# Altium PCB cam_cross_link.PcbDoc (part 4 of 4)
Units mm, origin at the board's own origin, x right, y up, seen from the top; angles counter-clockwise.
Board outline 68.55 x 39.09 mm, 6 copper layers (Signal_T, GND_T, PWR, Signal_INT, GND_B, Signal_B), stack 0.816 mm thick; 186 components, 134 nets, 893 pads, 753 vias.
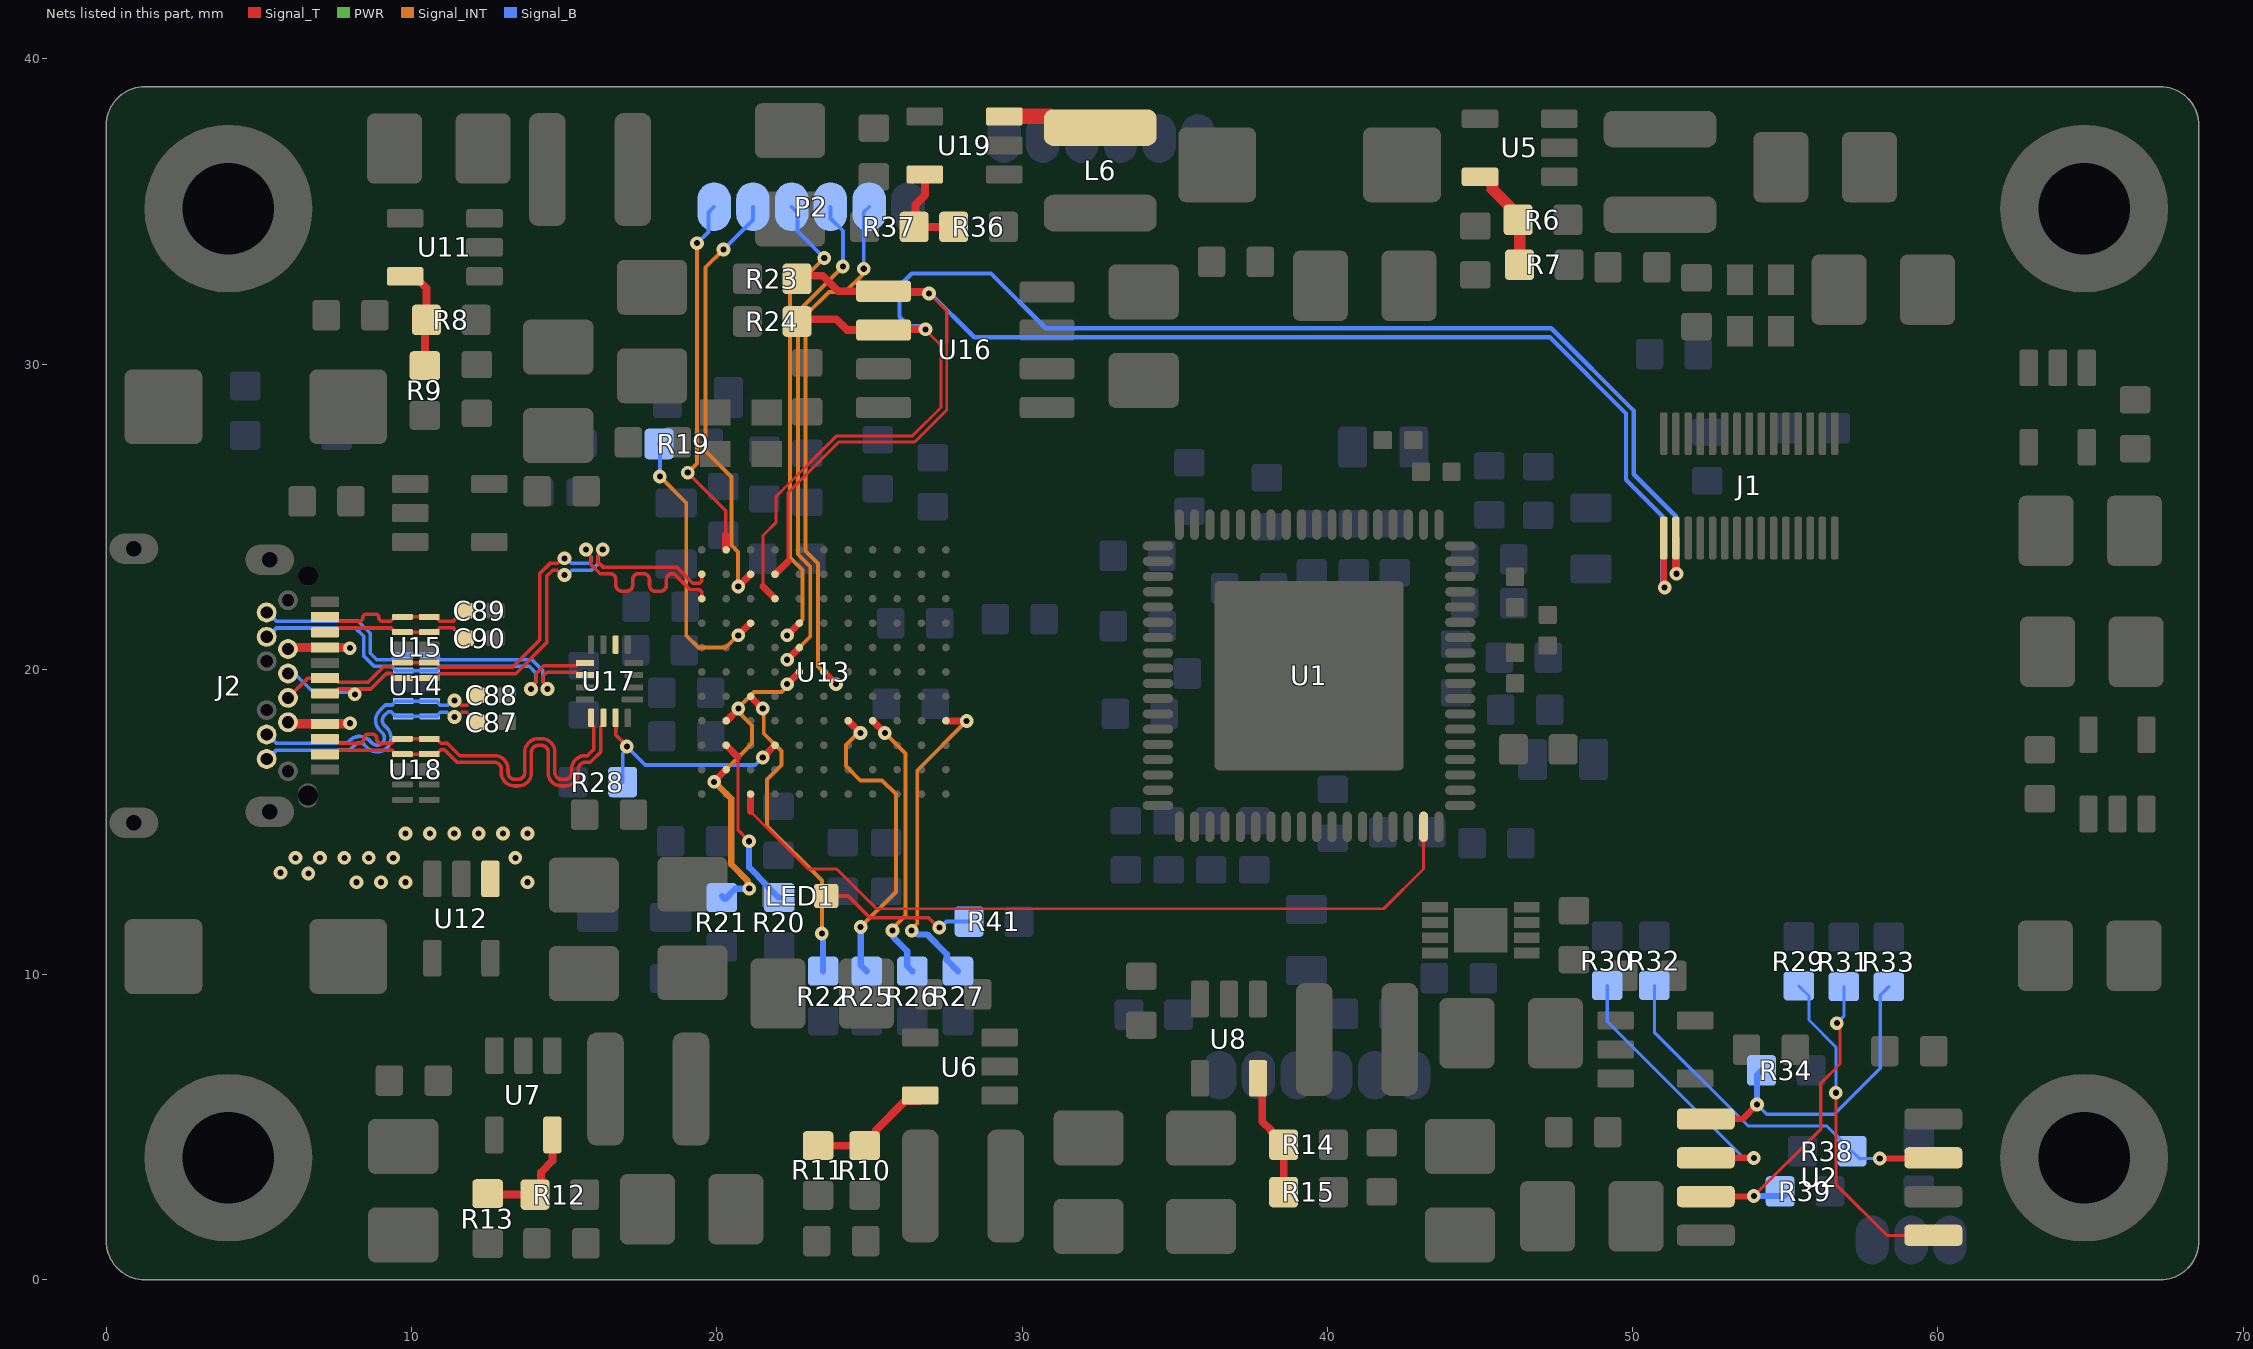
[diagram p8: the nets of this part, all layers, seen from the top]

## Via types
v1: diameter 0.45, hole 0.2, Signal_T to Signal_B, tented both sides, 740 vias
v2: diameter 0.5, hole 0.3, Signal_T to Signal_B, 9 vias
v3: diameter 0.45/0.45/0.45/0.45/0.45/0.45 (per signal layer), hole 0.2, Signal_T to Signal_B, tented both sides, 2 vias
v4: diameter 0.7, hole 0.3, Signal_T to Signal_B, 2 vias

## Nets (pads, with @x,y where several pads share a name; then routed paths per layer and width w, separated by ;. In a path a pad name is that pad's centre, name@x,y a point inside that pad or via, vN(x,y) a via of type N, cw(c..) or ccw(c..) an arc to the next point about the centre after c; other vN are vias at no path point) (continued)
NetL6_1: L6.1 U19.3 | length 3.3
  Signal_T w0.508: U19.3@29.418,38.11 30.925,38.11 31.288,37.747 L6.1@32.563,37.747
NetLED1_K: LED1.K R41.1 | length 5.2
  Signal_T w0.127: LED1.K@23.583,12.573 24.308,12.573 25.018,11.863 26.937,11.863 27.259,11.541 v1(27.292,11.541)
  Signal_B w0.127: v1(27.292,11.541) 27.334,11.541 27.528,11.735 R41.1@28.27,11.735
NetR6_2: R6.2 R7.1 U5.5 | length 3.6
  Signal_T w0.381: U5.5@45.004,36.134 45.304,36.134 45.414,36.024 45.414,35.724 45.968,35.17 45.968,35.008 R6.2@46.252,34.723 46.3,34.723 R7.1@46.3,33.25
NetR8_2: R8.2 R9.1 U11.5 | length 3.1
  Signal_T w0.254: U11.5@10.099,32.878 10.49,32.487 R8.2@10.49,31.445 10.439,31.395 R9.1@10.439,29.947
NetR10_2: R10.2 R11.1 U6.5 | length 4
  Signal_T w0.254: R11.1@23.317,4.394 24.866,4.394 25.214,4.742 25.214,4.903 26.168,5.857 U6.5@26.665,5.857
NetR12_2: R12.2 R13.1 U7.5 | length 3.7
  Signal_T w0.254: R13.1@12.497,2.82 12.523,2.794 R12.2@14.046,2.794 14.244,2.992 14.244,3.526 14.615,3.898 U7.5@14.615,4.745
NetR14_2: R14.2 R15.1 U8.5 | length 4
  Signal_T w0.254: U8.5@37.729,6.599 37.871,6.457 37.871,5.182 38.159,4.894 38.159,4.869 38.507,4.521 R14.2@38.532,4.521 ; R15.1@38.573,2.871 R14.2@38.573,4.42
NetR19_1: R19.1 U13.C8 | length 9.3
  Signal_T w0.229: v1@20.705,21.107 20.705,21.117 21.09,21.503 21.102,21.513 U13.C8@21.107,21.513
  Signal_INT w0.127: v1(18.136,26.314) 18.999,25.451 18.999,21.107 19.395,20.711 20.293,20.711 20.689,21.107 v1@20.705,21.107
  Signal_B w0.127: R19.1@18.11,27.381 18.136,27.356 v1(18.136,26.314)
  other v1: 20.705,21.113
NetR20_1: R20.1 U13.B3 | length 5.7
  Signal_T w0.102: 20.701,17.12 20.701,14.724 v1(21.057,14.368)
  Signal_T w0.229: U13.B3@20.307,17.513 20.701,17.12
  Signal_B w0.203: v1(21.057,14.368) 21.057,13.512 21.659,12.91 21.659,12.894 22.031,12.522 R20.1@22.047,12.522
NetR21_1: R21.1 U13.B2 U13.B4 U13.E6 | length 11.9
  Signal_T w0.229: v1@19.914,16.32 U13.B2@20.307,16.713 ; U13.B4@20.307,18.313 20.327,18.313 20.701,18.688 v1@20.701,18.732 ; v1@22.327,19.533 U13.E6@22.707,19.913
  Signal_INT w0.127: v1@19.914,16.32 21.158,17.564 21.158,18.161 20.811,18.508 20.811,18.534 20.701,18.644 20.701,18.732 21.223,19.253 22.124,19.253 22.327,19.456 v1@22.327,19.533
  Signal_INT w0.203: v1@19.914,16.32 20.472,15.761 20.472,13.61 21.017,13.065 21.017,12.861 v1(21.064,12.814)
  Signal_B w0.203: R21.1@20.168,12.573 20.27,12.471 20.612,12.814 v1(21.064,12.814)
  other v1: 19.914,16.313 20.707,18.713 22.307,19.513
NetR22_1: R22.1 U13.C5 | length 10.2
  Signal_T w0.229: U13.C5@21.107,19.113 21.519,18.702 v1@21.539,18.702
  Signal_INT w0.127: v1@21.539,18.702 21.539,17.897 22.118,17.318 22.118,16.86 21.651,16.394 21.651,14.874 23.443,13.082 v1@23.443,11.524
  Signal_B w0.203: v1(23.443,11.347) 23.485,11.305 R22.1@23.485,10.109
  other v1: 21.507,18.713
NetR29_1: R29.1 U2.5 | length 10.9
  Signal_T w0.102: v1(56.662,6.128) 56.662,3.13 58.335,1.456 U2.5@59.855,1.456
  Signal_B w0.102: R29.1@55.448,9.626 55.779,9.296 55.779,8.509 56.662,7.626 v1(56.662,6.128)
NetR30_1: R30.1 U2.2 | length 9.4
  Signal_T w0.203: U2.2@52.4,3.996 53.967,3.996 v1(53.975,3.988)
  Signal_B w0.102: R30.1@49.171,9.638 49.171,8.462 53.645,3.988 v1(53.975,3.988)
NetR31_1: R31.1 R39.2 U2.3 | length 10.8
  Signal_T w0.102: v1(53.975,2.743) 56.166,4.934 56.166,6.441 56.794,7.07 v1@56.794,8.484
  Signal_T w0.203: U2.3@52.4,2.726 53.958,2.726 v1(53.975,2.743)
  Signal_B w0.102: v1(56.693,8.407) 56.921,8.636 R31.1@56.921,9.601
  Signal_B w0.203: v1(53.975,2.743) 54.965,2.743 R39.2@55.016,2.794
NetR32_1: R32.1 R38.2 U2.7 | length 12.3
  Signal_T w0.203: v1(58.101,3.977) 59.807,3.977 59.821,3.962 U2.7@59.855,3.996
  Signal_B w0.102: R32.1@50.715,9.638 50.715,8.111 53.785,5.042 53.798,5.042 53.799,5.041 56.366,5.041 56.985,4.422 R38.2@56.985,4.215 ; R38.2@57.192,4.215 57.445,3.962 57.459,3.977 v1(58.101,3.977)
NetR33_1: R33.1 R34.2 U2.1 | length 10.6
  Signal_T w0.203: U2.1@52.4,5.266 53.602,5.266 v1(54.077,5.74)
  Signal_B w0.102: v1(54.077,5.74) 54.393,5.424 56.608,5.424 58.115,6.931 58.115,8.738 58.115,9.322 R33.1@58.395,9.601
  Signal_B w0.203: v1(54.077,5.74) 54.077,6.706 R34.2@54.229,6.858
NetR36_2: R36.2 R37.1 U19.5 | length 3.2
  Signal_T w0.254: U19.5@26.818,36.21 26.822,36.206 26.822,35.535 26.513,35.225 26.513,34.539 R37.1@26.467,34.493 R36.2@27.762,34.493
PMOD0: R25.1 U13.G4 | length 10.3
  Signal_T w0.229: U13.G4@24.307,18.313 v1@24.702,17.919
  Signal_INT w0.127: v1@24.702,17.919 24.628,17.919 24.232,17.523 24.232,16.827 24.699,16.359 25.417,16.359 25.867,15.909 25.867,12.709 v1(24.714,11.557)
  Signal_B w0.203: v1(24.714,11.557) 24.714,10.308 R25.1@24.913,10.109
  other v1: 24.707,17.913
PMOD1: R26.1 U13.H4 | length 9.1
  Signal_T w0.229: U13.H4@25.107,18.313 v1@25.527,17.894
  Signal_INT w0.127: v1@25.527,17.894 26.182,17.238 26.182,11.935 25.757,11.51 v1(25.757,11.447)
  Signal_B w0.203: v1(25.757,11.447) 25.799,11.405 25.799,11.209 26.238,10.77 26.238,10.28 R26.1@26.408,10.109
  other v1: 25.507,17.913
PMOD2: R27.1 U13.L4 | length 10.3
  Signal_T w0.229: U13.L4@27.507,18.313 v1@28.026,18.313
  Signal_INT w0.127: v1(26.385,11.438) 26.385,11.49 26.568,11.674 26.568,16.687 v1(28.187,18.306)
  Signal_B w0.203: v1(26.385,11.438) 26.451,11.438 26.574,11.316 26.887,11.316 27.533,10.67 27.533,10.479 R27.1@27.903,10.109
SCL_1V8: J1.2 R24.2 U13.D9 U16.6 | length 53
  Signal_T w0.096: 22.135,25.855 23.917,27.637 ; 23.932,27.649 26.415,27.649 27.343,28.578 27.343,30.61 v1@26.838,31.115
  Signal_T w0.102: 21.514,22.708 21.514,24.384 21.946,24.816 21.946,25.663 22.135,25.852 22.135,25.855 ; 23.917,27.637 23.92,27.637 23.932,27.649
  Signal_T w0.152: v1@26.838,31.115 v1(26.838,31.137)
  Signal_T w0.229: 21.514,22.707 U13.D9@21.907,22.313
  Signal_T w0.254: R24.2@22.454,31.471 23.914,31.471 24.269,31.115 U16.6@25.463,31.115 25.485,31.137 v1(26.838,31.137) ; J1.2@51.423,24.3 51.423,23.249 51.541,23.131 v1(51.442,23.131)
  Signal_B w0.142: v1(26.838,31.137) 26.757,31.137 26.652,31.242 26.289,31.242 25.984,31.547 25.984,32.563 26.391,32.969 28.981,32.969 30.774,31.176 47.337,31.176 50.03,28.482 50.03,28.481 50.038,28.473 50.038,26.393 51.435,24.996 51.435,23.138 v1(51.442,23.131)
SDA_1V8: J1.1 R23.1 U13.D10 U16.5 | length 50.3
  Signal_T w0.096: 22.327,23.533 22.327,25.776 23.996,27.445 26.48,27.445 ; 26.494,27.458 27.535,28.498 27.535,30.689 ; v1@26.949,32.332 27.534,31.748
  Signal_T w0.102: 26.48,27.445 26.493,27.458 26.494,27.458 ; v1@26.949,32.332 v1@26.949,32.36 ; 27.534,31.748 27.534,30.69 27.535,30.689
  Signal_T w0.203: v1@51.023,22.728 J1.1@51.023,24.3
  Signal_T w0.229: U13.D10@21.907,23.113 22.327,23.533
  Signal_T w0.254: R23.1@22.479,32.893 23.47,32.893 23.978,32.385 U16.5@25.463,32.385 25.463,32.36 v1@26.949,32.36 ; v1@50.977,22.682 v1@51.023,22.728
  Signal_B w0.142: v1@26.949,32.36 28.433,30.876 47.294,30.876 49.788,28.382 49.788,26.209 50.977,25.02 v1@50.977,22.682
  other v1: 51.053,22.682 26.949,32.309
SS_D_N: J2.A7 J2.B7 U13.A10 U15.5 U15.6 | length 19.6
  Signal_T w0.117: J2.A7@7.164,19.213 7.464,19.213 7.605,19.354 8.665,19.354 9.174,19.863 9.322,19.863 9.322,19.861 9.465,19.717 U15.5@9.703,19.717 U15.6@10.577,19.717 10.814,19.717 10.856,19.758 10.856,19.789 10.924,19.858 13.411,19.858 14.423,20.87 14.423,23.046 14.626,23.249 14.776,23.249 14.936,23.089 v1(15.011,23.089) ; v1@16.254,23.927 16.254,23.852 16.094,23.692 16.094,23.526 16.27,23.349 18.687,23.349 19.214,22.823 19.439,22.823 19.507,22.892 U13.A10@19.507,23.113
  Signal_B w0.117: J2.B7@5.954,19.863 6.056,19.761 6.274,19.761 6.782,19.253 8.077,19.253 v1@8.103,19.228 ; v1(15.011,23.089) 15.086,23.089 15.246,23.249 15.897,23.249 16.094,23.446 16.094,23.692 16.254,23.852 v1@16.254,23.927
  other v1: 8.144,19.179 16.266,23.927
SS_D_P: J2.A6 J2.B6 U13.A9 U15.4 U15.7 | length 20.4
  Signal_T w0.117: J2.B6@5.954,19.063 6.592,19.701 7.152,19.701 J2.A6@7.164,19.713 7.464,19.713 7.605,19.573 8.574,19.573 9.084,20.082 9.33,20.082 9.465,20.217 U15.4@9.703,20.217 U15.7@10.577,20.217 10.814,20.217 10.856,20.176 10.856,20.145 10.924,20.076 13.32,20.076 14.204,20.961 14.204,23.136 14.535,23.468 14.776,23.468 14.936,23.628 v1@15.011,23.628 ; v1(15.715,23.927) 15.715,23.852 15.875,23.692 15.875,23.435 16.18,23.13 16.505,23.13 cw(c16.505,22.938) 16.697,22.938 16.697,22.755 ccw(c16.889,22.755) 16.889,22.563 17.054,22.563 ccw(c17.054,22.755) 17.247,22.755 17.247,22.938 cw(c17.439,22.938) 17.439,23.13 17.604,23.13 cw(c17.604,22.938) 17.796,22.938 17.796,22.751 ccw(c17.988,22.751) 17.988,22.558 18.153,22.558 ccw(c18.153,22.751) 18.346,22.751 18.346,22.938 cw(c18.538,22.938) 18.538,23.13 18.597,23.13 19.123,22.604 19.439,22.604 19.507,22.535 U13.A9@19.507,22.313
  Signal_B w0.117: J2.B6@5.954,19.063 J2.B6@6.024,19.134 ; v1@15.011,23.628 15.086,23.628 15.246,23.468 15.806,23.468 15.875,23.536 15.875,23.692 15.715,23.852 v1(15.715,23.927)
  other v1: 15.011,23.635
SS_RX1_N: J2.B10 U14.4 U14.7 U17.9 | length 13
  Signal_T w0.117: v1@13.919,19.355 13.919,19.445 14.081,19.607 14.081,19.863 14.337,20.118 15.394,20.118 15.485,20.209 U17.9@15.685,20.209
  Signal_B w0.117: J2.B10@5.254,21.063 5.284,21.063 5.575,21.354 8.167,21.354 8.433,21.088 8.433,20.435 8.771,20.097 9.345,20.097 9.486,19.956 U14.7@10.597,19.956 10.835,19.956 10.876,19.998 10.876,20.028 10.945,20.097 13.854,20.097 14.079,19.872 14.079,19.59 13.919,19.43 v1@13.919,19.355
  other v1: 13.914,19.355
SS_RX1_P: J2.B11 U14.5 U14.6 U17.10 | length 13
  Signal_T w0.117: v1(14.458,19.355) 14.458,19.445 14.3,19.603 14.3,19.772 14.427,19.899 15.394,19.899 15.485,19.809 U17.10@15.685,19.809
  Signal_B w0.117: J2.B11@5.254,21.863 5.284,21.863 5.575,21.573 8.258,21.573 8.652,21.178 8.652,20.526 8.862,20.316 9.345,20.316 9.444,20.415 9.682,20.415 U14.5@9.723,20.456 U14.6@10.597,20.456 10.835,20.456 10.876,20.415 10.876,20.385 10.945,20.316 13.945,20.316 14.298,19.962 14.298,19.59 14.458,19.43 v1(14.458,19.355)
SS_RX2_N: J2.A10 U17.13 U18.1 U18.10 | length 13.8
  Signal_T w0.117: J2.A10@7.164,17.713 7.464,17.713 7.605,17.573 8.23,17.573 8.288,17.573 ccw(c8.288,17.721) 8.436,17.721 8.436,17.726 cw(c8.584,17.726) 8.584,17.874 8.711,17.874 cw(c8.711,17.726) 8.859,17.726 8.859,17.721 ccw(c9.007,17.721) 9.007,17.573 9.346,17.573 9.404,17.631 9.424,17.651 9.424,17.681 9.465,17.723 U18.1@9.703,17.723 10.814,17.723 10.955,17.582 11.169,17.582 11.58,17.171 12.116,17.171 12.721,17.171 cw(c12.721,16.732) 13.16,16.732 13.16,16.616 ccw(c13.38,16.616) 13.38,16.397 13.49,16.397 ccw(c13.49,16.616) 13.71,16.616 13.71,17.289 cw(c14.148,17.289) 14.148,17.727 14.258,17.727 cw(c14.258,17.289) 14.697,17.289 14.697,16.615 ccw(c14.917,16.615) 14.917,16.396 15.027,16.396 ccw(c15.027,16.615) 15.247,16.615 15.247,16.732 cw(c15.685,16.732) 15.685,17.171 15.763,17.171 15.854,17.262 15.975,17.383 15.975,18.118 15.885,18.209 U17.13@15.885,18.409
SS_RX2_P: J2.A11 U17.14 U18.2 U18.9 | length 13.8
  Signal_T w0.117: J2.A11@7.164,17.213 7.464,17.213 7.605,17.354 9.355,17.354 9.424,17.285 9.424,17.264 9.465,17.223 U18.2@9.703,17.223 10.814,17.223 10.955,17.363 11.078,17.363 11.49,16.952 12.116,16.952 12.721,16.952 cw(c12.721,16.732) 12.941,16.732 12.941,16.616 ccw(c13.38,16.616) 13.38,16.178 13.49,16.178 ccw(c13.49,16.616) 13.929,16.616 13.929,17.289 cw(c14.148,17.289) 14.148,17.508 14.258,17.508 cw(c14.258,17.289) 14.478,17.289 14.478,16.615 ccw(c14.917,16.615) 14.917,16.177 15.027,16.177 ccw(c15.027,16.615) 15.466,16.615 15.466,16.732 cw(c15.685,16.732) 15.685,16.952 15.854,16.952 16.194,17.292 16.194,18.118 16.285,18.209 U17.14@16.285,18.409
SS_TX1_N: C90.1 J2.A3 U15.2 U15.9 | length 5.4
  Signal_T w0.117: C90.1@11.743,21.02 11.693,21.02 11.379,21.334 11.379,21.358 10.924,21.358 10.856,21.289 10.856,21.258 10.814,21.217 U15.9@10.577,21.217 U15.2@9.703,21.217 9.465,21.217 9.329,21.354 J2.A3@7.605,21.354 ; J2.A3@7.464,21.213 J2.A3@7.605,21.354 ; J2.A3@7.464,21.213 J2.A3@7.164,21.213 J2.A3@7.464,21.213 ; J2.A3@7.464,21.213 J2.A3@7.605,21.354
SS_TX1_P: C89.1 J2.A2 U15.1 U15.10 | length 5.7
  Signal_T w0.117: C89.1@11.743,21.915 11.693,21.915 11.379,21.601 11.379,21.576 10.924,21.576 10.856,21.645 10.856,21.676 10.814,21.717 U15.10@10.577,21.717 U15.1@9.703,21.717 9.465,21.717 9.429,21.681 9.371,21.622 9.321,21.573 9.238,21.573 9.047,21.573 cw(c9.047,21.69) 8.93,21.69 8.93,21.697 ccw(c8.825,21.697) 8.825,21.802 8.51,21.802 ccw(c8.51,21.697) 8.406,21.697 8.406,21.69 cw(c8.288,21.69) 8.288,21.573 8.23,21.573 J2.A2@7.605,21.573 ; J2.A2@7.464,21.713 7.164,21.713 J2.A2@7.464,21.713 ; J2.A2@7.464,21.713 J2.A2@7.605,21.573 ; J2.A2@7.464,21.713 J2.A2@7.605,21.573
SS_TX2_N: C88.1 J2.B3 U14.2 U14.9 | length 9
  Signal_T w0.117: v1@11.405,18.976 11.48,18.976 11.64,18.817 11.814,18.817 11.882,18.885 11.882,18.96 12.074,19.152 C88.1@12.124,19.152
  Signal_B w0.117: J2.B3@5.254,17.863 5.284,17.863 5.575,17.573 6.937,17.573 6.947,17.573 7.113,17.573 7.21,17.573 7.885,17.573 7.98,17.668 cw(c8.303,17.346) 8.589,17.7 8.593,17.7 8.624,17.669 ; 8.625,17.668 8.707,17.586 ccw(c8.875,17.753) 9.042,17.585 ccw(c8.875,17.753) 9.042,17.92 ; 9.041,17.921 8.96,18.002 cw(c9.282,18.325) 8.959,18.647 9.079,18.766 9.143,18.83 9.359,18.83 U14.2@9.437,18.908 ; U14.2@9.437,18.908 9.486,18.956 U14.9@10.597,18.956 10.835,18.956 10.876,18.915 10.876,18.885 10.945,18.816 11.17,18.816 11.33,18.976 v1@11.405,18.976
  other v1: 11.405,18.981
SS_TX2_P: C87.1 J2.B2 U14.1 U14.10 | length 9
  Signal_T w0.117: v1(11.405,18.437) 11.48,18.437 11.64,18.598 11.814,18.598 11.882,18.529 11.882,18.454 12.074,18.263 C87.1@12.124,18.263
  Signal_B w0.117: J2.B2@5.254,17.063 5.284,17.063 5.575,17.354 7.03,17.354 7.113,17.354 7.144,17.354 7.976,17.354 8.135,17.513 ; 8.135,17.513 cw(c8.303,17.346) 8.471,17.513 8.552,17.431 ccw(c8.875,17.753) 9.197,17.431 ccw(c8.875,17.753) 9.197,18.076 9.115,18.157 cw(c9.282,18.325) 9.115,18.493 9.233,18.611 9.331,18.611 U14.1@9.437,18.505 ; U14.1@9.437,18.505 9.486,18.456 U14.10@10.597,18.456 10.835,18.456 10.876,18.498 10.876,18.528 10.945,18.597 11.17,18.597 11.33,18.437 v1(11.405,18.437)
UART_CTS: U1.53 U13.C1 | length 25.9
  Signal_T w0.096: 21.107,15.342 22.994,13.455 23.934,13.455 25.232,12.157 41.849,12.157 43.155,13.462
  Signal_T w0.102: 43.155,13.462 U1.53@43.155,14.84
  Signal_T w0.229: 21.107,15.342 U13.C1@21.107,15.913
USB3_MUX_OE: R28.1 U13.D3 U17.15 | length 8
  Signal_T w0.117: 16.71,18.037 16.71,18.384 U17.15@16.685,18.409 16.685,17.859 v1@16.993,17.551
  Signal_T w0.229: v1@21.514,17.094 21.514,17.12 U13.D3@21.907,17.513
  Signal_B w0.117: R28.1@16.917,16.307 16.917,17.248 17.053,17.384 v1(17.053,17.474) 17.661,16.866 21.26,16.866 v1(21.507,17.113)
USB3_MUX_SEL: U17.6
USB_T\R\S\T\: P2.6 U13.B11 | length 12.1
  Signal_T w0.102: v1(19.05,26.441) 20.293,25.198 20.293,24.42
  Signal_T w0.229: 20.293,24.42 20.293,23.961 20.298,23.955 20.298,23.922 U13.B11@20.307,23.913
  Signal_INT w0.127: v1(19.05,26.441) 19.355,26.746 v1(19.355,33.96)
  Signal_B w0.127: v1(19.355,33.96) 19.727,34.332 19.727,34.967 P2.6@19.914,35.154
USB_TCK: P2.2 U13.F6 | length 17.7
  Signal_T w0.229: U13.F6@23.507,19.913 23.876,19.545 v1@23.876,19.533
  Signal_INT w0.127: v1@23.876,19.533 23.317,20.091 23.317,23.47 22.911,23.876 22.911,31.598 23.673,32.36 24.206,32.36 24.754,32.907 24.754,33.06 v1(24.816,33.122)
  Signal_B w0.127: v1(24.816,33.122) 24.816,34.976 P2.2@24.994,35.154
  other v1: 23.907,19.513
USB_TDI: P2.3 U13.E7 | length 16.7
  Signal_T w0.229: v1@22.301,20.307 U13.E7@22.707,20.713
  Signal_INT w0.127: v1@22.301,20.307 23.063,21.069 23.063,23.364 22.657,23.771 22.657,31.725 v1(24.13,33.198)
  Signal_B w0.127: P2.3@23.724,35.154 23.724,34.774 24.13,34.368 v1(24.13,33.198)
  other v1: 22.307,20.313
USB_TDO: P2.5 U13.C10 | length 14.1
  Signal_T w0.229: v1@20.705,22.708 20.705,22.711 U13.C10@21.107,23.113
  Signal_INT w0.127: v1(20.218,33.757) 19.634,33.172 19.634,27.153 20.483,26.304 20.483,24.065 20.701,23.847 v1@20.701,22.712
  Signal_B w0.127: v1(20.218,33.757) 21.184,34.722 P2.5@21.184,35.154
  other v1: 20.705,22.713
USB_TMS: P2.4 U13.E8 | length 15.9
  Signal_T w0.229: v1@22.293,21.11 22.304,21.11 U13.E8@22.707,21.513
  Signal_INT w0.127: v1@22.293,21.11 22.809,21.626 22.809,23.259 22.403,23.666 22.403,32.36 v1(23.52,33.477)
  Signal_B w0.127: P2.4@22.454,35.154 22.64,34.967 22.64,34.358 v1(23.52,33.477)
  other v1: 22.307,21.113
VUSB: J2.A4 J2.A9 J2.B4 J2.B9 U12.1 | length 4.2
  Signal_T w0.305: J2.B4@6.005,18.263 6.055,18.213 7.961,18.213 v1(7.981,18.233) ; J2.B9@6.005,20.663 6.055,20.713 7.96,20.713 v1(7.98,20.693)
  PWR w0.305: J2.B4@6.005,18.263 J2.B4@6.09,18.263 ; J2.B9@6.005,20.663 J2.B9@6.078,20.663
  other v1: 8.2,13.024 9,13.024 9.8,13.024 13.8,13.024 6.62,13.311 5.706,13.336 6.2,13.824 7,13.824 7.8,13.824 8.6,13.824 9.4,13.824 13.4,13.824 9.8,14.624 10.6,14.624 11.4,14.624 12.2,14.624 13,14.624 13.8,14.624
pads on no net: C1.0 C2.0 C3.0 C4.0 C5.0 C6.0 C7.0 C8.0 C9.0 C10.0 C11.0 C12.0 C13.0 C14.0 C15.0 C16.0 C17.0 C18.0 C19.0 C20.0 C21.0 C22.0 C23.0 C24.0 C25.0 C26.0 C27.0 C28.0 C29.0 C30.0 C31.0 C32.0 C33.0 C34.0 C35.0 C36.0 C37.0 C38.0 C39.0 C40.0 C41.0 C42.0 C43.0 C44.0 C45.0 C46.0 C47.0 C48.0 C49.0 C50.0 C51.0 C52.0 C53.0 C54.0 C55.0 C56.0 C57.0 C58.0 C59.0 C60.0 C61.0 C62.0 C63.0 C64.0 C65.0 C66.0 C67.0 C68.0 C69.0 C70.0 C71.0 C72.0 C73.0 C74.0 C75.0 C76.0 C77.0 C78.0 C79.0 C80.0 C81.0 C82.0 C83.0 C84.0 C85.0 C86.0 C87.0 C88.0 C89.0 C90.0 C91.0 C92.0 C93.0 C94.0 C95.0 C96.0 C97.0 C98.0 C99.0 C100.0 C101.0 FB1.0 FB2.0 FB3.0 FB4.0 FB5.0 FB6.0 FB7.0 FB8.0 J1.20 J1.29 J1.30 J2.1 J2.A8 J2.B8 LED1.0 R1.0 R2.0 R3.0 R4.0 R5.0 R6.0 R7.0 R8.0 R9.0 R10.0 R11.0 R12.0 R13.0 R14.0 R15.0 R16.0 R17.0 R19.0 R20.0 R21.0 R22.0 R23.0 R24.0 R25.0 R26.0 R27.0 R28.0 R29.0 R30.0 R31.0 R32.0 R33.0 R34.0 R35.0 R36.0 R37.0 R38.0 R39.0 R40.0 R41.0 R42.0 R43.0 U3.0 U3.4 U4.0 U4.4 U5.0 U6.0 U7.0 U8.0 U9.0 U9.4 U10.5 U10.6 U11.0 U12.0 U12.4 U13.A11 U13.C4 U13.C9 U13.D2 U13.D4 U13.D6 U13.D7 U13.D11 U13.E10 U13.F2 U13.G5 U13.H5 U13.H7 U13.J5 U13.K5 U13.K6 U13.K7 U13.L8 U16.0 U16.1 U16.2 U18.4 U18.5 U18.6 U18.7 U19.0 U20.0 U20.4 X2.2 X2.4

## Polygon pours and split planes (outlines as drawn)
1V2 on PWR "1V2_L03_P016" (solid, pour order 16): 22.219,15.265 10.135,15.265 10.135,27.737 12.7,27.737 12.7,35.077 22.219,35.077
GND on PWR "GND_L03_P061" (solid, pour order 61): 22.219,35.077 22.219,30.658 30.384,30.658 30.384,35.052
1V8 on PWR "1V8_L03_P008" (solid, pour order 8): 22.278,13.792 29.362,13.792 29.362,21.285 27.051,21.285 27.051,25.908 25.603,25.908 25.603,24.105 24.333,24.105 24.333,25.908 22.095,25.908 22.095,24.232 20.676,24.232 20.676,30.658 32.614,30.658 32.614,12.395 22.268,12.395
FPGA_1V8 on PWR "FPGA_1V8_L03_P019" (solid, pour order 19): 30.384,35.052 30.384,30.632 32.639,30.632 32.639,17.069 36.601,17.069 36.601,18.593 36.601,20.193 36.627,20.193 36.627,22.098 34.417,22.098 34.417,24.155 36.17,24.155 36.17,35.052
FPGA_1V8 on PWR "FPGA_1V8_L03_P025" (solid, pour order 25): 36.17,34.981 40.411,34.981 40.411,32.309 49.555,32.309 49.555,8.179 61.468,8.179 61.468,0.025 43.434,0.025 43.434,11.963 39.37,11.963 39.37,14.681 44.425,14.681 44.425,27.838 36.17,27.838
1V8 on PWR "1V8_L03_P021" (solid, pour order 21): 22.86,9.728 22.812,7.899 27.071,7.899 28.016,8.661 29.261,9.728 31.928,12.395 22.936,12.395 22.835,12.497
VUSB on PWR "VUSB_L03_P015" (solid, pour order 15): 3.759,27.102 10.084,27.102 10.084,15.291 14.249,15.291 14.249,10.795 3.785,10.795
GND on PWR "GND_L03_P089" (solid, pour order 89): 49.581,26.619 56.794,26.619 56.794,31.267 64.516,31.267 64.516,9.322 68.453,9.322 68.453,1.3 cw(c67.264,1.3) 67.264,0.111 61.468,0.111 61.468,8.179 49.581,8.179
+5V on PWR "+5V_L03_P018" (solid, pour order 18): 12.7,38.976 12.7,35.077 40.411,35.077 40.411,32.309 47.295,32.309 47.295,35.077 56.794,35.077 56.794,31.267 64.516,31.267 64.516,9.322 68.478,9.322 68.478,37.789 ccw(c67.241,37.789) 67.241,39.026 12.75,39.026 ccw(c12.75,38.976)
1V2 on PWR "1V2_L03_P004" (solid, pour order 4): 22.784,17.45 18.618,17.45 18.618,17.983 19.812,19.202 21.031,19.202 21.031,22.149 19.38,22.149 19.38,24.994 20.676,24.994 20.676,24.232 23.114,24.232 23.114,18.466
1V0 on PWR "1V0_L03_P023" (solid, pour order 23): 26.975,8.026 26.975,3.175 31.826,3.175 31.826,6.096 36.779,11.049 36.779,12.412 31.877,12.412 29.261,9.796
+5V on PWR "+5V_L03_P000" (solid, pour order 0): 7.341,12.001 7.341,0 36.805,0 36.805,5.512 31.852,5.512 31.852,3.175 26.975,3.175 26.975,8.001 23.038,8.001 23.038,3.2 14.224,3.2 14.224,12.001
GND on PWR "GND_L03_P090" (solid, pour order 90): 39.37,11.963 43.434,11.963 43.434,0.11 36.805,0.11 36.805,8.153 39.37,8.153
1V0 on PWR "1V0_L03_P024" (solid, pour order 24): 32.577,8.153 32.577,16.967 36.627,16.967 36.627,22.098 34.417,22.098 34.417,24.155 36.144,24.155 36.144,27.788 44.425,27.788 44.425,14.681 39.37,14.681 39.37,8.153
1V8 on PWR "1V8_L03_P002" (solid, pour order 2): 14.275,3.2 23.038,3.2 23.038,13.716 23.952,13.716 23.952,17.45 17.831,17.45 17.831,8.153 14.275,8.153
1V2 on PWR "1V2_L03_P026" (solid, pour order 26): 14.249,15.291 17.831,15.291 17.831,8.23 14.206,8.23
1V2 on PWR "1V2_L03_P009" (solid, pour order 9): 21.775,17.546 27.051,17.546 27.051,23.901 21.742,23.901
+5V on PWR "+5V_L03_P014" (solid, pour order 14): 12.7,39.014 1.346,39.014 ccw(c1.346,37.754) 0.086,37.754 0.086,1.307 ccw(c1.281,1.307) 1.282,0.111 7.493,0.111 7.493,12.929 3.759,12.929 3.759,27.137 10.681,27.137 10.681,27.762 12.7,27.762
GND on PWR "GND_L03_P048" (solid, pour order 48): 47.269,35.077 56.769,35.077 56.769,26.619 49.581,26.619 49.581,32.36 47.259,32.348
+5V on PWR "+5V_L03_P040" (solid, pour order 40): 31.852,5.131 31.852,6.121 33.884,8.153 36.805,8.153 36.805,5.131
FPGA_1V8 on PWR "FPGA_1V8_L03_P020" (solid, pour order 20): 23.038,8.712
1V2 on PWR "1V2_L03_P017" (solid, pour order 17): 12.192,38.964
no net on PWR "NONET_L03_P012" (solid, pour order 12): 5.969,8.611
no net on PWR "NONET_L03_P011" (solid, pour order 11): 9.881,14.453
no net on PWR "NONET_L03_P010" (solid, pour order 10): 9.881,14.453
no net on PWR "NONET_L03_P007" (solid, pour order 7): 22.428,13.233
1V2 on PWR "1V2_L03_P006" (solid, pour order 6): 22.098,22.786 22.098,25.908 24.333,25.908 24.333,24.13 25.603,24.13 25.603,25.908 27.051,25.908 27.051,22.786
1V2 on PWR "1V2_L03_P005" (solid, pour order 5): 23.952,13.423 23.952,15.631 24.333,15.631 24.333,17.907 26.822,17.907 26.822,21.285 29.718,21.285 29.718,13.397
1V8 on PWR "1V8_L03_P003" (solid, pour order 3): 22.593,17.374 22.593,18.088 24.333,18.088 24.333,13.716 23.952,13.716 23.952,17.374
GND on Signal_T "GND_L01_P093" (solid, pour order 93): 44.377,24.74 44.377,14.859 34.505,14.859 34.505,24.74
GND on Signal_T "GND_L01_P077" (solid, pour order 77): 14.3,11.913 23.055,11.913 23.443,11.524 42.131,11.524 43.434,12.827 43.434,5.74 14.351,5.74
GND on Signal_T "GND_L01_P073" (solid, pour order 73): 43.409,16.633 48.489,16.633 48.489,18.691 56.885,18.691 60.018,18.691 60.018,0.107 51.179,0.107 51.179,3.803 43.409,3.803
GND on Signal_T "GND_L01_P070" (solid, pour order 70): 60.02,17.577 60.02,0.102 67.223,0.102 ccw(c67.223,1.337) 68.459,1.337 68.459,28.55 63.065,28.55 63.065,26.649 64.843,26.673 64.885,17.577
+5V on Signal_T "+5V_L01_P068" (solid, pour order 68): 64.516,16.637 68.428,16.637 68.428,11.582 68.402,11.582 68.402,9.347 64.465,9.347
+5V on Signal_T "+5V_L01_P067" (solid, pour order 67): 58.014,34.646 59.69,34.646 59.69,38.973 67.256,38.973 cw(c67.256,37.793) 68.436,37.793 68.436,28.524 59.291,28.524 59.291,31.267 57.988,31.267
GND on Signal_T "GND_L01_P066" (solid, pour order 66): 37.782,35.179 38.76,33.735 38.76,30.234 41.334,30.234 41.808,30.709 43.586,30.709 44.577,31.699 48.514,31.699 51.664,28.55 58.776,28.55 58.776,31.674 58.014,31.674 58.014,34.646 59.69,34.646 59.69,38.973 45.923,38.973 45.923,33.735 40.896,33.78 40.896,35.179
GND on Signal_T "GND_L01_P065" (solid, pour order 65): 29.108,38.977 29.108,38.252 34.773,38.252 34.773,35.077 38.98,35.077 38.98,38.973
+5V on Signal_T "+5V_L01_P064" (solid, pour order 64): 38.98,38.973 38.98,35.077 40.945,35.077 40.945,31.776 43.993,31.776 43.993,32.334 45.923,32.334 45.923,38.973
GND on Signal_T "GND_L01_P063" (solid, pour order 63): 32.055,30.353 35.789,30.353 35.789,27.925 35.782,27.534 19.253,27.534 19.253,25.552 17.551,25.552 17.551,24.333 11.354,24.333 11.354,27.026 9.784,27.026 9.784,29.174 15.926,29.174 15.926,31.09 19.914,31.09 19.914,33.68 21.182,33.68 21.182,37.16 28.067,37.16 28.067,38.989 30.404,38.989 30.404,32.766 32.055,32.766
FPGA_1V8 on Signal_T "FPGA_1V8_L01_P060" (solid, pour order 60): 30.378,36.322 34.773,36.322 34.773,34.976 37.973,34.976 38.786,33.651 38.786,30.582 40.284,30.582 41.275,30.582 41.275,28.677 40.691,28.677 40.691,27.889 35.782,27.925 35.796,30.353 32.055,30.353 32.055,32.766 30.404,32.766
+5V on Signal_T "+5V_L01_P059" (solid, pour order 59): 18.694,38.964 28.067,38.964 28.067,37.084 24.232,37.084 24.232,33.68 19.939,33.68 19.939,34.849 18.694,34.849
GND on Signal_T "GND_L01_P058" (solid, pour order 58): 10.871,38.974 15.621,38.974 15.621,34.225 13.304,34.225 13.304,33.167 10.847,33.167
+5V on Signal_T "+5V_L01_P056" (solid, pour order 56): 1.293,38.973 10.871,38.974 10.871,33.274 8.966,33.274 8.966,32.131 9.779,32.131 9.779,27.026 11.252,27.026 11.252,23.368 8.763,23.368 8.763,24.74 5.131,24.74 5.131,30.785 0.111,30.785 0.111,37.791 cw(c1.293,37.791)
1V0 on Signal_T "1V0_L01_P042" (solid, pour order 42): 28.016,2.565 28.016,4.851 28.575,5.41 29.388,5.41 29.388,9.699 30.453,10.765 32.995,10.765 32.995,2.54 27.991,2.54
GND on Signal_T "GND_L01_P041" (solid, pour order 41): 3.556,3.83 3.556,0.11 51.257,0.11 51.257,3.895
+5V on Signal_T "+5V_L01_P036" (solid, pour order 36): 23.495,10.82 23.495,7.925 23.043,7.925 23.043,5.105 25.679,5.105 25.679,5.629 27.661,5.629 27.661,10.82
VUSB on Signal_T "VUSB_L01_P033" (solid, pour order 33): 14.326,11.957 14.326,15.291 8.887,15.291 8.856,14.229 5.366,14.229 5.347,11.957
+5V on Signal_T "+5V_L01_P032" (solid, pour order 32): 0.102,12.649 9.677,12.649 9.677,11.913 14.3,11.913 14.3,8.153 12.493,8.153 12.484,6.642 13.335,5.791 13.335,3.835 0.102,3.835
1V2 on Signal_T "1V2_L01_P055" (solid, pour order 55): 15.316,38.964 18.669,38.964 18.669,34.849 19.914,34.849 19.914,31.09 13.056,31.09 13.056,29.566 11.303,29.566 11.303,32.385 12.802,32.385 12.802,34.392 15.316,34.392
LDO_1V0 on Signal_T "LDO_1V0_L01_P022" (solid, pour order 22): 51.357,8.719 52.095,8.719 52.095,12.243 55.354,12.243 55.354,8.763 54.771,8.763 54.771,6.782 52.959,6.782 52.959,7.442 51.359,7.442
GND on Signal_T "GND_L01_P057" (solid, pour order 57): 0.111,30.785 5.131,30.785 5.131,26.416 7.264,26.416 7.264,24.702 8.712,24.702 14.477,24.702 14.477,24.499 12.871,23.044 11.805,23.054 8.78,23.044 7.912,22.022 5.856,22.018 5.537,22.352 4.724,22.352 4.724,16.535 5.766,16.535 5.766,17.12 6.375,17.12 6.375,16.942 11.1,16.942 11.354,16.688 12.192,15.85 16.11,15.85 16.11,13.706 14.335,13.706 14.335,15.291 11.354,15.291 8.856,15.291 8.856,14.229 5.366,14.229 5.366,12.649 0.11,12.649
2V8 on Signal_T "2V8_L01_P076" (solid, pour order 76): 60.283,22.2 64.878,22.2 64.878,18.694 64.878,17.605 60.073,17.609 60.073,18.694 56.963,18.694
C_1V8 on Signal_T "C_1V8_L01_P074" (solid, pour order 74): 59.291,28.524 59.291,25.756 60.401,25.756 60.401,22.352 64.846,22.352 64.846,28.55 63.065,28.55
no net on Signal_T "NONET_L01_P069" (solid, pour order 69): 59.291,28.524
LDO_1V8 on Signal_T "LDO_1V8_L01_P054" (solid, pour order 54): 40.564,11.652 44.018,11.652 44.018,10.185 40.564,10.185
+5V on Signal_T "+5V_L01_P043" (solid, pour order 43): 32.995,8.179 37.465,8.179 37.465,3.715 33.032,3.671
+5V on Signal_T "+5V_L01_P038" (solid, pour order 38): 0.112,3.962 0.112,1.288 ccw(c1.287,1.288) 1.287,0.112 4.039,0.112 4.039,4.104
+5V on Signal_T "+5V_L01_P037" (solid, pour order 37): 0.148,3.835
1V8 on Signal_T "1V8_L01_P035" (solid, pour order 35): 18.035,8.433 22.936,8.433 22.936,3.835 18.898,3.835 18.898,0.66 15.469,0.66 15.469,4.242 18.035,4.242
FPGA_1V8 on Signal_T "FPGA_1V8_L01_P031" (solid, pour order 31): 26.467,9.804
GND on Signal_B "GND_L06_P092" (solid, pour order 92): 16.844,0.11 1.278,0.108 cw(c1.278,1.272) 0.114,1.272 0.114,37.816 cw(c1.273,37.816) 1.273,38.976 17.018,38.976 17.018,22.86 12.649,22.86 11.887,22.098 5.766,22.098 5.486,22.377 4.724,22.377 4.724,16.535 5.791,16.535 5.791,16.866 9.779,16.866 10.516,17.602 12.09,17.602 13.183,18.694 14.744,18.694 15.388,19.456 17.094,19.456 17.094,0.36
GND on Signal_B "GND_L06_P091" (solid, pour order 91): 66.594,38.97 67.287,38.97 cw(c67.287,37.807) 68.449,37.807 68.449,1.278 cw(c67.28,1.278) 67.28,0.108 16.844,0.108 16.844,38.971 17.03,38.971
LDO_1V0 on Signal_B "LDO_1V0_L06_P075" (solid, pour order 75): 47.549,24.562 50.267,24.562 50.267,21.92 50.579,21.92 50.546,14.238 49.64,14.238 47.549,16.329
LDO_1V8 on Signal_B "LDO_1V8_L06_P044" (solid, pour order 44): 40.361,11.76 44.018,11.76 44.018,10.185 40.361,10.185
GND on Signal_INT "GND_L04_P081" (solid, pour order 81): 55.397,3.251 55.397,0.102 1.301,0.102 cw(c1.301,1.294) 0.109,1.294 0.109,24.511 22.992,24.685 23.181,15.291 38.633,15.291 38.633,9.5 43.705,9.5 43.705,3.251
GND on Signal_INT "GND_L04_P083" (solid, pour order 83): 32.029,24.409 32.029,15.291 20.287,15.291 20.316,20.925 19.193,20.913 19.193,24.409
GND on Signal_INT "GND_L04_P082" (solid, pour order 82): 0.104,27.629 0.104,16.561 4.75,16.561 4.75,22.327 6.248,22.327 6.248,22.047 7.976,22.047 8.783,23.047 9.129,23.393 11.608,23.393 12.624,24.409 32.029,24.409 32.029,27.629
GND on Signal_INT "GND_L04_P072" (solid, pour order 72): 68.44,37.375 68.44,37.819 ccw(c67.294,37.819) 67.294,38.965 1.26,38.965 ccw(c1.26,37.809) 0.104,37.809 0.104,27.629 68.44,27.629
LDO_1V8 on Signal_INT "LDO_1V8_L04_P046" (solid, pour order 46): 32.004,27.788 43.742,27.788 43.72,11.656 43.72,9.5 38.633,9.5 38.633,15.113 32.004,15.113
GND on Signal_INT "GND_L04_P079" (solid, pour order 79): 64.907,27.629 68.433,27.629 68.433,1.266 cw(c67.277,1.266) 67.277,0.11 55.397,0.11 55.397,15.113 65.075,15.113 65.075,22.2 64.769,22.2 64.769,27.632
LDO_1V0 on Signal_INT "LDO_1V0_L04_P047" (solid, pour order 47): 43.601,24.867 50.571,24.867 50.571,12.065 55.397,12.065 55.397,3.251 43.705,3.251
GND on Signal_INT "GND_L04_P078" (solid, pour order 78): 43.815,28.296 43.815,24.867 50.571,24.867 50.571,12.065 55.397,12.065 55.397,15.113 53.365,15.113 53.365,26.619 49.632,26.619 49.632,28.296
2V8 on Signal_INT "2V8_L04_P050" (solid, pour order 50): 53.365,26.619 53.518,29.515 57.683,29.515 57.683,25.629 60.249,25.629 60.249,22.2 65.075,22.2 65.075,15.113 53.365,15.113
C_1V8 on Signal_INT "C_1V8_L04_P051" (solid, pour order 51): 49.632,26.619 53.518,26.619 53.518,29.515 57.48,29.515 57.48,25.629 60.249,25.629 60.249,22.2 64.77,22.2 64.77,29.921 61.151,29.921 61.151,32.82 54.964,32.82 54.964,34.258 49.632,34.258 49.632,32.871 49.632,29.083
no net on Signal_INT "NONET_L04_P049" (solid, pour order 49): 49.733,31.064
+5V on Signal_INT "+5V_L04_P045" (solid, pour order 45): 32.004,28.854
GND on GND_T "GND_L02_P084" (solid, pour order 84): 0.119,37.812 cw(c1.295,37.812) 1.295,38.987 67.265,38.987 cw(c67.265,37.806) 68.446,37.806 68.446,1.303 cw(c67.26,1.303) 67.26,0.118 1.312,0.118 cw(c1.312,1.321) 0.109,1.321
GND on GND_B "GND_L05_P085" (solid, pour order 85): 0.115,37.808 cw(c1.291,37.808) 1.291,38.983 67.261,38.983 cw(c67.261,37.802) 68.442,37.802 68.442,1.299 cw(c67.256,1.299) 67.256,0.114 1.308,0.114 cw(c1.308,1.317) 0.105,1.317

## Keep-outs
Keep-Out Layer:
  lines w0.025: 0,1.27 ccw(c1.27,1.27) 1.27,0 67.285,0 ccw(c67.285,1.27) 68.555,1.27 68.555,16.354 68.555,37.262 68.555,37.816 ccw(c67.285,37.816) 67.285,39.086 67.102,39.086 1.268,39.086 ccw(c1.268,37.818) 0,37.818 0,37.795 0,8.761 0,1.27

## Silkscreen, mask and mechanical layers (free items; w line width, h text height)
Top Overlay:
  circle w0.254: c54.737,16.662 r1.523
  circle w0.254: c54.737,16.662 r3.057
  lines w0.2: 50.952,20.828 50.952,22.403 ccw(c50.343,22.403) 50.343,23.012 50.089,23.012 cw(c50.089,23.825) 49.276,23.825 49.276,27.762 cw(c50.114,27.762) 50.114,28.6 57.988,28.6 cw(c57.988,27.762) 58.826,27.762 58.826,20.904
  lines w0.3: 50.47,12.217 50.47,20.752 58.979,20.752 58.979,12.217 50.47,12.217
  text "1V2" at 13.716,32.41 h1.02
  text "1V2" at 48.59,31.191 h1.02
  text "1V8" at 36.043,30.658 h1.02
  text "1V8" at 62.205,24.079 h1.02 r90
  text "2V8" at 62.255,19.736 h1.02 r90
  text "1V8" at 40.056,10.566 h1.02
  text "1V0" at 53.772,8.992 h1.02 r90
  text "IMX9 1V0 2029" at 61.849,8.788 h0.71 r90
  text "CircuitValley.com MIPILink3" at 60.541,8.725 h0.84 r90
  text "5V" at 10.795,8.56 h1.02
  text "1V0" at 32.004,6.248 h1.02 r90
  text "1V8" at 21.463,4.724 h1.02 r90
  text "3V3" at 39.775,0.772 h1.02
Bottom Overlay:
  text "~TRST" at 19.075,38.862 h0.89 r90
  text "TCK" at 25.527,38.633 h0.89 r90
  text "TDO" at 21.463,38.583 h0.89 r90
  text "TDI" at 24.054,38.583 h0.89 r90
  text "TMS" at 22.809,38.557 h0.89 r90
  text "GND" at 26.772,38.532 h0.89 r90
  text "IO24" at 29.769,36.347 h0.89 r90
  text "IO21" at 33.757,36.347 h0.89 r90
  text "IO22" at 31.117,36.328 h0.89 r90
  text "IO26" at 32.461,36.322 h0.89 r90
  text "GND" at 35.04,36.303 h0.89 r90
  text "GND" at 36.283,36.264 h0.89 r90
  text "FX3" at 28.016,34.569 h0.89 r90
  text "FPGA" at 45.237,8.382 h0.89 r90
  text "JTAG_EN" at 42.113,5.613 h0.76 r90
  text "TCK" at 36.805,5.512 h0.89 r90
  text "TDO" at 38.176,5.512 h0.89 r90
  text "TDI" at 39.472,5.512 h0.89 r90
  text "TMS" at 40.792,5.512 h0.89 r90
  text "GND" at 43.409,5.512 h0.89 r90
  text "GND" at 56.21,0.864 h0.89
  text "TX" at 51.105,0.813 h0.89
  text "RX" at 53.264,0.813 h0.89
Bottom Solder:
  drawing of 5 lines, arcs and shapes, not listed
Mechanical 15:
  lines w0.025: 0,1.27 ccw(c1.27,1.27) 1.27,0 67.285,0 ccw(c67.285,1.27) 68.555,1.27 68.555,37.816 ccw(c67.285,37.816) 67.285,39.086 1.268,39.086 ccw(c1.268,37.818) 0,37.818 0,1.27